# KiCad board dya-panelized.kicad_pcb (continued)
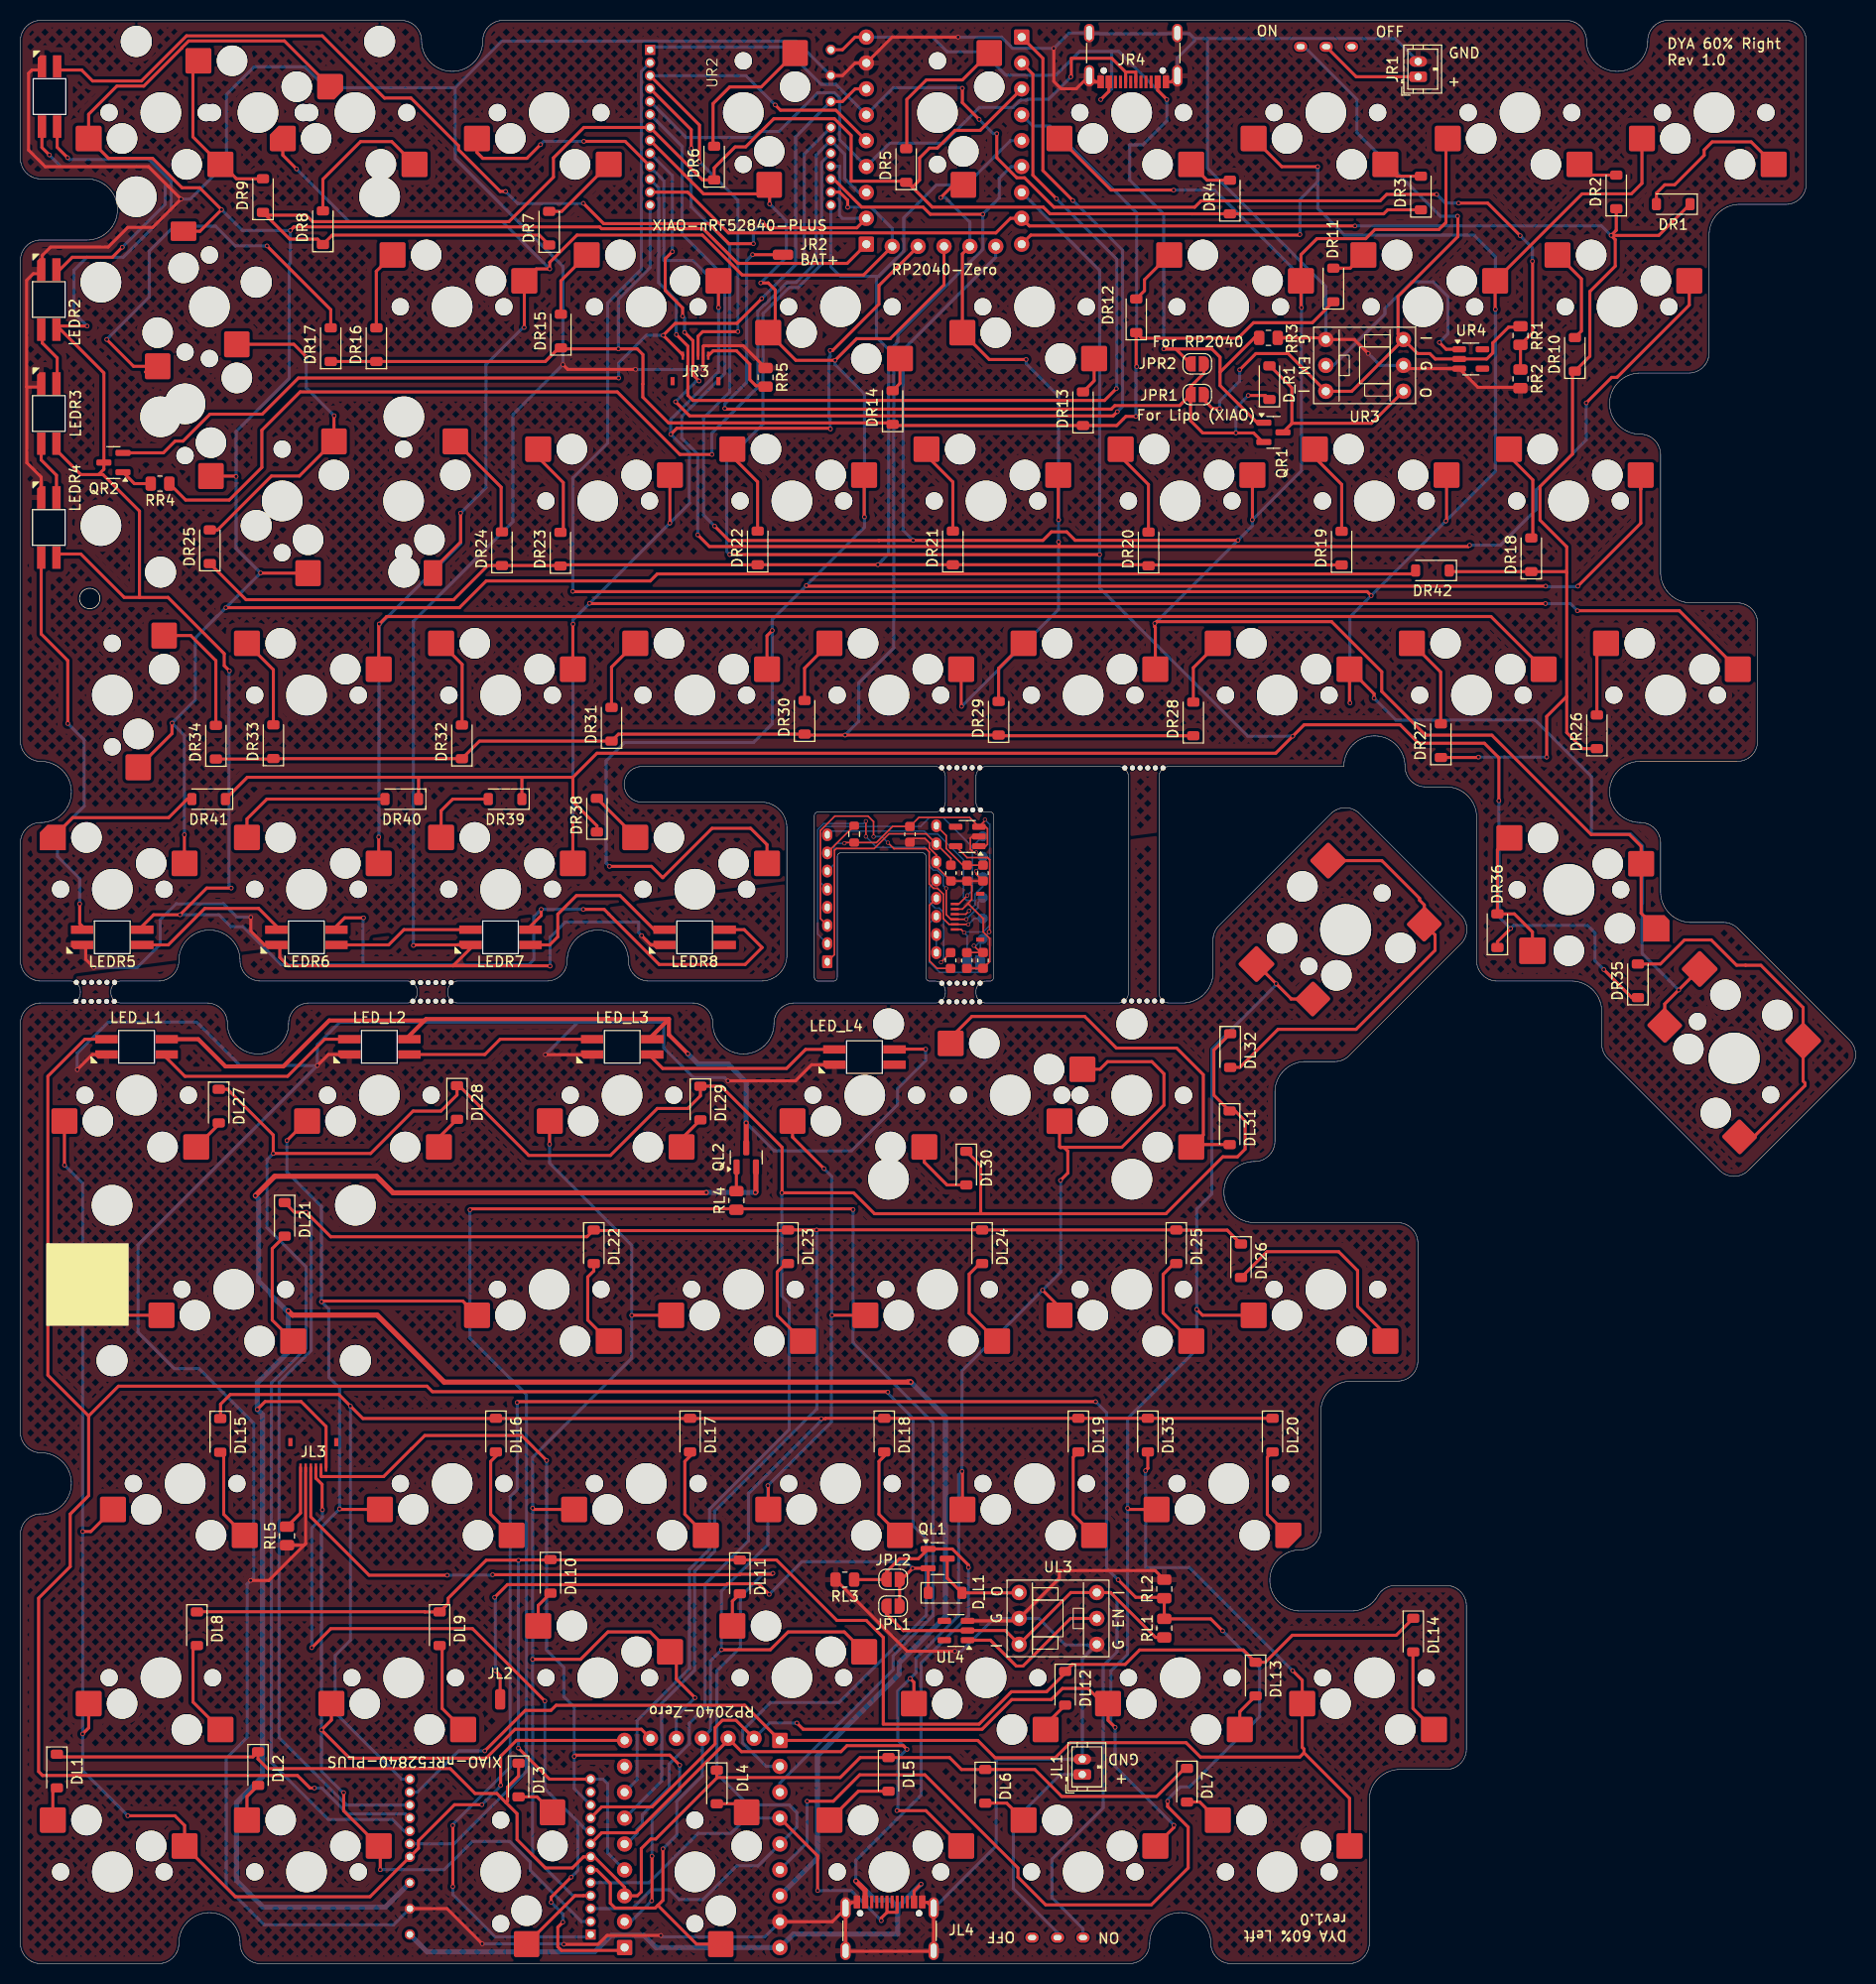
[diagram p0: board, top side]
## Footprints (pads in the part's own frame, mm; a bottom-side part is the same pattern mirrored in y, then rotated)
AE-XCL103
  round 1.5 hole 0.8: 1(-2.54,-3.81) 2(0,-3.81) 3(2.54,-3.81) 4(2.54,3.81) 5(0,3.81) 6(-2.54,3.81)
C_0603_1608Metric
  rrect 0.9x0.95 smd: 1(-0.775,0) 2(0.775,0)
D_SOD-123
  rrect 0.9x1.2 smd: 1(-1.65,0) 2(1.65,0)
JST_ZH_B2B-ZR_1x02_P1.50mm_Vertical
  rrect 1.03x1.73 hole 0.73: 1(0,0)
  oval 1.03x1.73 hole 0.73: 2(1.5,0)
JUSHUO-AFH34-S06FIA-1H
  rect 0.4x0.8 smd: 0(-2.25,-2.5) 0(2.25,-2.5)
  rect 0.25x0.8 smd: 1(-1.25,0) 2(-0.75,0) 3(-0.25,0) 4(0.25,0) 5(0.75,0) 6(1.25,0)
LED_SK6812MINI-E_BL
  rect 2.2x0.82 smd: 1(-2.6,0.75) 3(2.6,-0.75) 4(-2.6,-0.75)
  rrect 2.2x0.82 smd: 2(2.6,0.75)
Mouse_Bite_Hole
  round 0.5 hole 0.5 unplated: (-1.85,0) (-1.1,0) (-0.35,0) (0.4,0) (1.15,0) (1.9,0)
MX-Hotswap-1.5U
  round 1.702 hole 1.702 unplated: (-5.08,0) (5.08,0)
  round 3 hole 3 unplated: (-2.54,5.08) (3.81,2.54)
  round 3.988 hole 3.988 unplated: (0,0)
  rrect 2.55x2.5 smd: 1(7.085,2.54) 2(-5.842,5.08)
MX-Hotswap-1.25U
  round 1.702 hole 1.702 unplated: (-5.08,0) (5.08,0)
  round 3 hole 3 unplated: (-2.54,5.08) (3.81,2.54)
  round 3.988 hole 3.988 unplated: (0,0)
  rrect 2.55x2.5 smd: 1(7.085,2.54) 2(-5.842,5.08)
MX-Hotswap-1.75U
  round 1.702 hole 1.702 unplated: (-5.08,0) (5.08,0)
  round 3 hole 3 unplated: (-2.54,5.08) (3.81,2.54)
  round 3.988 hole 3.988 unplated: (0,0)
  rrect 2.55x2.5 smd: 1(7.085,2.54) 2(-5.842,5.08)
MX-Hotswap-1U
  round 1.702 hole 1.702 unplated: (-5.08,0) (5.08,0)
  round 3 hole 3 unplated: (-2.54,5.08) (3.81,2.54)
  round 3.988 hole 3.988 unplated: (0,0)
  rrect 2.55x2.5 smd: 1(7.085,2.54) 2(-5.842,5.08)
MX-Hotswap-1U#2
  round 1.702 hole 1.702 unplated: (-5.08,0) (5.08,0)
  round 3 hole 3 unplated: (-2.54,5.08) (3.81,2.54)
  round 3.988 hole 3.988 unplated: (0,0)
  rrect 2.53x1.82 smd: 1(7.075,2.88)
  rrect 2.55x2.5 smd: 2(-5.842,5.08)
MX-Hotswap-1U#3
  round 1.702 hole 1.702 unplated: (-5.08,0) (5.08,0)
  round 3 hole 3 unplated: (-2.54,5.08) (3.81,2.54)
  round 3.988 hole 3.988 unplated: (0,0)
  rrect 1.9x2.51 smd: 1(7.41,2.545)
  rrect 2.55x2.5 smd: 2(-5.842,5.08)
MX-Hotswap-2.25U
  round 3.048 hole 3.048 unplated: (-11.938,6.985) (11.938,6.985)
  round 3.988 hole 3.988 unplated: (-11.938,-8.255) (0,0) (11.938,-8.255)
  round 1.702 hole 1.702 unplated: (-5.08,0) (5.08,0)
  round 3 hole 3 unplated: (-2.54,5.08) (3.81,2.54)
  rrect 2.55x2.5 smd: 1(7.085,2.54) 2(-5.842,5.08)
MX-Hotswap-2.25U-ReversedStabilizers
  round 3.988 hole 3.988 unplated: (-11.938,8.255) (0,0) (11.938,8.255)
  round 3.048 hole 3.048 unplated: (-11.938,-6.985) (11.938,-6.985)
  round 1.702 hole 1.702 unplated: (0,5.08) (0,-5.08)
  round 3 hole 3 unplated: (2.54,-3.81) (5.08,2.54)
  rrect 2.5x2.55 smd: 1(2.54,-7.085) 2(5.08,5.842)
MX-Hotswap-2.75U-ReversedStabilizers
  round 3.988 hole 3.988 unplated: (-11.938,8.255) (11.938,8.255)
  round 3.048 hole 3.048 unplated: (-11.938,-6.985) (11.938,-6.985)
MX-Hotswap-2U
  round 3.048 hole 3.048 unplated: (-11.938,6.985) (11.938,6.985)
  round 3.988 hole 3.988 unplated: (-11.938,-8.255) (0,0) (11.938,-8.255)
  round 1.702 hole 1.702 unplated: (-5.08,0) (5.08,0)
  round 3 hole 3 unplated: (-2.54,5.08) (3.81,2.54)
  rrect 2.55x2.5 smd: 1(7.085,2.54) 2(-5.842,5.08)
MX-Hotswap-ISO-Rotated
  round 3.048 hole 3.048 unplated: (-11.938,6.985) (11.938,6.985)
  round 3.988 hole 3.988 unplated: (-11.938,-8.255) (0,0) (11.938,-8.255)
  round 1.702 hole 1.702 unplated: (-5.08,0) (5.08,0)
  round 3 hole 3 unplated: (-2.54,5.08) (3.81,2.54)
  rrect 2.55x2.5 smd: 1(7.085,2.54) 2(-5.842,5.08)
MX-KailhChocV2-Hybrid-Hotswap-1U
  round 1.702 hole 1.702 unplated: (-5.175,0.095) (4.985,0.095)
  round 3 hole 3 unplated: (-2.635,5.175) (-0.1,-5.9) (3.715,2.635) (4.9,-3.7)
  round 5 hole 5.1 unplated: (-0.1,0.1)
  rrect 2.55x2.5 smd: 1(6.99,2.635) 2(-5.937,5.175)
  rrect 2.6x2.6 smd: 1(8.475,-3.7) 2(-3.675,-5.9)
PMW3610DM-SUDU 16Pin
  rrect 1.25x1 hole 0.75x0.5: 1(6.168,5.35)
  oval 1.25x1 hole 0.75x0.5: 2(4.388,5.35) 3(2.608,5.35) 4(0.828,5.35) 5(-0.952,5.35) 6(-2.732,5.35) 7(-4.512,5.35) 8(-6.292,5.35) 9(-7.182,-5.35) 10(-5.402,-5.35) 11(-3.622,-5.35) 12(-1.842,-5.35) 13(-0.062,-5.35) 14(1.718,-5.35) 15(3.498,-5.35) 16(5.278,-5.35)
R_0603_1608Metric
  rrect 0.8x0.95 smd: 1(-0.825,0) 2(0.825,0)
R_0805_2012Metric
  rrect 1.025x1.4 smd: 1(-0.912,0) 2(0.912,0)
RP2040-Zero
  rrect 1.5x1.5 hole 0.8: 0(17.78,22.86) 14(2.54,2.54)
  oval 1.5x1.5 hole 0.8: 1(17.78,20.32) 2(17.78,17.78) 3(17.78,15.24) 4(17.78,12.7) 5(17.78,10.16) 6(17.78,7.62) 7(17.78,5.08) 8(17.78,2.54) 9(15.24,2.33) 10(12.7,2.33) 11(10.16,2.33) 12(7.62,2.33) 13(5.08,2.33) 15(2.54,5.08) 26(2.54,7.62) 27(2.54,10.16) 28(2.54,12.7) 29(2.54,15.24) 30(2.54,17.78) 31(2.54,20.32) 32(2.54,22.86)
SolderJumper-2_P1.3mm_Open_RoundedPad1.0x1.5mm
  custom 1x1.5 smd: 1(-0.65,0) 2(0.65,0)
SolderWirePad_1x01_SMD_1x2mm
  rrect 1x2 smd: 1(0,0)
SOT-23
  rrect 1.475x0.6 smd: 1(-0.938,0.95) 2(-0.938,-0.95) 3(0.938,0)
SOT-23-5
  rrect 1.325x0.6 smd: 1(-1.137,0.95) 2(-1.137,0) 3(-1.137,-0.95) 4(1.137,-0.95) 5(1.137,0.95)
TestPoint_Pad_D1.0mm
  round 1 smd: 1(0,0)
TGSW_MSK-12D19
  oval 1.3x1 hole 0.8x0.5: 1(-2.5,-1.05) 2(0,-1.05) 3(2.5,-1.05)
USB_C_Receptacle_G-Switch_GT-USB-7010ASV
  round 0.65 hole 0.65 unplated: (-2.89,2.605) (2.89,2.605)
  rect 0.6x1.24 smd: A1(-3.2,3.725) A4(-2.4,3.725) A9(2.4,3.725) A12(3.2,3.725) B1(3.2,3.725) B4(2.4,3.725) B9(-2.4,3.725) B12(-3.2,3.725)
  rect 0.3x1.24 smd: A5(-1.25,3.725) A6(-0.25,3.725) A7(0.25,3.725) A8(1.25,3.725) B5(1.75,3.725) B6(0.75,3.725) B7(-0.75,3.725) B8(-1.75,3.725)
  oval 1x2.1 hole 0.6x1.7: S1(-4.32,3.125) S1(4.32,3.125)
  oval 1x1.8 hole 0.6x1.4: S1(-4.32,-1.075) S1(4.32,-1.075)
XIAO_nRF52840_plus
  rect 1x1 hole 0.65: 1(7.628,8.89)
  oval 1x1 hole 0.65: 2(5.088,8.89) 3(2.547,8.89) 4(0.007,8.89) 5(-2.533,8.89) 6(-5.072,8.89) 7(-7.612,8.89) 8(-7.61,-8.85) 9(-5.07,-8.85) 10(-2.53,-8.85) 11(0.01,-8.85) 12(2.55,-8.85) 13(5.09,-8.85) 14(7.63,-8.85) 15(6.357,8.89) 16(3.817,8.89) 17(1.278,8.89) 18(-1.262,8.89) 19(-3.803,8.89) 20(-6.343,8.89) 21(-6.34,-8.85) 22(-3.8,-8.85) 23(-1.26,-8.85)

## Nets
3.3V_L: JL3.1 QL2.2 UL1.30 UL2.12
3.3V_R: JR3.1 QR2.2 UR1.30 UR2.12
GND: C1.2 C3.2 C4.2 C6.2 C7.2 C8.2 J1.5 J2.1 U1.11 U2.2
GNDL: JL1.2 JL3.5 JL4.A1 JL4.A12 JL4.B1 JL4.B12 JL4.S1 LED_L1.2 LED_L2.2 LED_L3.2 LED_L4.2 RL2.2 RL3.2 RL5.1 UL1.31 UL2.13 UL3.3 UL3.5 UL4.3
GNDR: JR1.2 JR3.5 JR4.A1 JR4.A12 JR4.B1 JR4.B12 JR4.S1 LEDR1.2 LEDR2.2 LEDR3.2 LEDR4.2 LEDR5.2 LEDR6.2 LEDR7.2 LEDR8.2 RR2.2 RR3.2 RR5.1 UR1.31 UR2.13 UR3.3 UR3.5 UR4.3
VBUS_L: JL4.A4 JL4.A9 JL4.B4 JL4.B9 JPL2.1 QL1.1 RL3.1 UL1.32 UL2.14
VBUS_R: JPR2.1 JR4.A4 JR4.A9 JR4.B4 JR4.B9 QR1.1 RR3.1 UR1.32 UR2.14
VCC_1.8V: C7.1 C8.1 J3.1 JP1.2 U1.14 U2.5
VCC_3.3_or_1.8V: C1.1 J1.1 JP1.1 R1.2 U1.6 U2.1 U2.3
BAT_L: D_L1.1 JL2.1 JPL1.1 JPL2.2 QL1.2
BAT_R: D_R1.1 JPR1.1 JPR2.2 JR2.1 QR1.2
BAT_RAW_L: JPL1.2 RL1.1 SW_BATL1.1 UL3.1 UL3.4 UL4.2
BAT_RAW_R: JPR1.2 RR1.1 SW_BATR1.1 UR3.1 UR3.4 UR4.2
CL0: SWL1.1 SWL8.1 SWL15.1 SWL21.1 SWL27.1 UL1.8 UL2.11
CL1: SWL2.1 SWL9.1 SWL16.1 SWL22.1 SWL28.1 UL1.9 UL2.15
CL2: SWL3.1 SWL10.1 SWL17.1 SWL23.1 SWL29.1 UL1.10 UL2.16
CL3: SWL4.1 SWL11.1 SWL18.1 SWL24.1 SWL30.1 UL1.11 UL2.17
CL4: SWL5.1 SWL12.1 SWL19.1 SWL25.1 SWL31.1 SWL31-hole2.1 UL1.12 UL2.18
CL5: SWL6.1 SWL13.1 SWL20.1 SWL26.1 SWL32.1 UL1.13 UL2.19
CL6: DL33.2 SWL7.1 SWL14.1 UL1.14 UL2.21
CR7: SWR1.1 SWR3.1 SWR11.1 SWR19.1 SWR28.1 SWR35.1 UR1.8 UR2.15
CR8: SWR2.1 SWR4.1 SWR12.1 SWR20.1 SWR29.1 SWR36.1 UR1.9 UR2.16
CR9: SWR5.1 SWR10.1 SWR13.1 SWR21.1 SWR30.1 UR1.10 UR2.17
CR10: SWR6.1 SWR14.1 SWR18.1 SWR22.1 SWR31.1 SWR38.1 UR1.11 UR2.18
CR11: SWR7.1 SWR15.1 SWR23.1 SWR26.1 SWR32.1 SWR39.1 UR1.12 UR2.19
CR12: SWR8.1 SWR16.1 SWR24.1 SWR27.1 SWR33.1 SWR40.1 UR1.13 UR2.21
CR13: DR42.2 SWR9.1 SWR9-2.1 SWR17.1 SWR25.1 SWR25-2.1 SWR34.1 SWR41.1 UR1.14 UR2.11
INPUT_VOLTAGE_L: RL1.2 RL2.1 UL1.29 UL2.1
INPUT_VOLTAGE_R: RR1.2 RR2.1 UR1.29 UR2.1
LED_EN_L: RL4.1 UL1.26 UL2.23
LED_EN_R: RR4.1 UR1.26 UR2.23
LED_L: LED_L1.3 UL1.15 UL2.22
LED_R: LEDR1.3 UR1.15 UR2.22
LR_COM_L: JL4.A6 JL4.B6 UL1.27 UL2.3
LR_COM_R: JR4.A6 JR4.B6 UR1.27 UR2.3
MOTION: J1.4 J6.1 U1.8
MOTION_L: JL3.4 UL1.28 UL2.2
MOTION_R: JR3.4 UR1.28 UR2.2
NCS: J1.6 J7.1 U1.5
RL0: DL1.1 DL2.1 DL3.1 DL4.1 DL5.1 DL6.1 DL7.1 UL1.2 UL2.4
RL1: DL8.1 DL9.1 DL10.1 DL11.1 DL12.1 DL13.1 DL14.1 UL1.3 UL2.7
RL2: DL15.1 DL16.1 DL17.1 DL18.1 DL19.1 DL20.1 DL33.1 UL1.4 UL2.8
RL3: DL21.1 DL22.1 DL23.1 DL24.1 DL25.1 DL26.1 UL1.5 UL2.9
RL4: DL27.1 DL28.1 DL29.1 DL30.1 DL31.1 DL32.1 UL1.6 UL2.10
RR0: DR3.1 DR4.1 DR5.1 DR6.1 DR7.1 DR8.1 DR9.1 UR1.2 UR2.4
RR1: DR11.1 DR12.1 DR13.1 DR14.1 DR15.1 DR16.1 DR17.1 UR1.3 UR2.7
RR2: DR19.1 DR20.1 DR21.1 DR22.1 DR23.1 DR24.1 DR25.1 UR1.4 UR2.8
RR3: DR28.1 DR29.1 DR30.1 DR31.1 DR32.1 DR33.1 DR34.1 UR1.5 UR2.9
RR4: DR35.1 DR36.1 DR38.1 DR39.1 DR40.1 DR41.1 UR1.6 UR2.10
RR5: DR1.1 DR2.1 DR10.1 DR18.1 DR26.1 DR27.1 DR42.1 UR1.7 UR2.20
SCLK: J1.2 J4.1 U1.3
SCLK_L: JL3.2 UL1.1 UL2.6
SCLK_R: JR3.2 UR1.1 UR2.6
SDIO: J1.3 J5.1 U1.2
SDIO_L: JL3.3 UL1.0 UL2.5
SDIO_R: JR3.3 UR1.0 UR2.5
Net-(D_L1-A): D_L1.2 QL1.3 UL3.6
Net-(D_R1-A): D_R1.2 QR1.3 UR3.6
Net-(DL1-A): DL1.2 SWL1.2
Net-(DL2-A): DL2.2 SWL2.2
Net-(DL3-A): DL3.2 SWL3.2
Net-(DL4-A): DL4.2 SWL4.2
Net-(DL5-A): DL5.2 SWL5.2
Net-(DL6-A): DL6.2 SWL6.2
Net-(DL7-A): DL7.2 SWL7.2
Net-(DL8-A): DL8.2 SWL8.2
Net-(DL9-A): DL9.2 SWL9.2
Net-(DL10-A): DL10.2 SWL10.2
Net-(DL11-A): DL11.2 SWL11.2
Net-(DL12-A): DL12.2 SWL12.2
Net-(DL13-A): DL13.2 SWL13.2
Net-(DL14-A): DL14.2 SWL14.2
Net-(DL15-A): DL15.2 SWL15.2
Net-(DL16-A): DL16.2 SWL16.2
Net-(DL17-A): DL17.2 SWL17.2
Net-(DL18-A): DL18.2 SWL18.2
Net-(DL19-A): DL19.2 SWL19.2
Net-(DL20-A): DL20.2 SWL20.2
Net-(DL21-A): DL21.2 SWL21.2
Net-(DL22-A): DL22.2 SWL22.2
Net-(DL23-A): DL23.2 SWL23.2
Net-(DL24-A): DL24.2 SWL24.2
Net-(DL25-A): DL25.2 SWL25.2
Net-(DL26-A): DL26.2 SWL26.2
Net-(DL27-A): DL27.2 SWL27.2
Net-(DL28-A): DL28.2 SWL28.2
Net-(DL29-A): DL29.2 SWL29.2
Net-(DL30-A): DL30.2 SWL30.2
Net-(DL31-A): DL31.2 SWL31.2 SWL31-hole2.2
Net-(DL32-A): DL32.2 SWL32.2
Net-(DR1-A): DR1.2 SWR1.2
Net-(DR2-A): DR2.2 SWR2.2
Net-(DR3-A): DR3.2 SWR3.2
Net-(DR4-A): DR4.2 SWR4.2
Net-(DR5-A): DR5.2 SWR5.2
Net-(DR6-A): DR6.2 SWR6.2
Net-(DR7-A): DR7.2 SWR7.2
Net-(DR8-A): DR8.2 SWR8.2
Net-(DR9-A): DR9.2 SWR9.2 SWR9-2.2
Net-(DR10-A): DR10.2 SWR10.2
Net-(DR11-A): DR11.2 SWR11.2
Net-(DR12-A): DR12.2 SWR12.2
Net-(DR13-A): DR13.2 SWR13.2
Net-(DR14-A): DR14.2 SWR14.2
Net-(DR15-A): DR15.2 SWR15.2
Net-(DR16-A): DR16.2 SWR16.2
Net-(DR17-A): DR17.2 SWR17.2
Net-(DR18-A): DR18.2 SWR18.2
Net-(DR19-A): DR19.2 SWR19.2
Net-(DR20-A): DR20.2 SWR20.2
Net-(DR21-A): DR21.2 SWR21.2
Net-(DR22-A): DR22.2 SWR22.2
Net-(DR23-A): DR23.2 SWR23.2
Net-(DR24-A): DR24.2 SWR24.2
Net-(DR25-A): DR25.2 SWR25.2 SWR25-2.2
Net-(DR26-A): DR26.2 SWR26.2
Net-(DR27-A): DR27.2 SWR27.2
Net-(DR28-A): DR28.2 SWR28.2
Net-(DR29-A): DR29.2 SWR29.2
Net-(DR30-A): DR30.2 SWR30.2
Net-(DR31-A): DR31.2 SWR31.2
Net-(DR32-A): DR32.2 SWR32.2
Net-(DR33-A): DR33.2 SWR33.2
Net-(DR34-A): DR34.2 SWR34.2
Net-(DR35-A): DR35.2 SWR35.2
Net-(DR36-A): DR36.2 SWR36.2
Net-(DR38-A): DR38.2 SWR38.2
Net-(DR39-A): DR39.2 SWR39.2
Net-(DR40-A): DR40.2 SWR40.2
Net-(DR41-A): DR41.2 SWR41.2
Net-(JL1-Pin_1): JL1.1 SW_BATL1.2
Net-(JL3-Pin_6): JL3.6 RL5.2
Net-(JR1-Pin_1): JR1.1 SW_BATR1.2
Net-(JR3-Pin_6): JR3.6 RR5.2
Net-(LED_L1-DOUT): LED_L1.1 LED_L2.3
Net-(LED_L1-VDD): LED_L1.4 LED_L2.4 LED_L3.4 LED_L4.4 QL2.3
Net-(LED_L2-DOUT): LED_L2.1 LED_L3.3
Net-(LED_L3-DOUT): LED_L3.1 LED_L4.3
Net-(LEDR1-DOUT): LEDR1.1 LEDR2.3
Net-(LEDR1-VDD): LEDR1.4 LEDR2.4 LEDR3.4 LEDR4.4 LEDR5.4 LEDR6.4 LEDR7.4 LEDR8.4 QR2.3
Net-(LEDR2-DOUT): LEDR2.1 LEDR3.3
Net-(LEDR3-DOUT): LEDR3.1 LEDR4.3
Net-(LEDR4-DOUT): LEDR4.1 LEDR5.3
Net-(LEDR5-DOUT): LEDR5.1 LEDR6.3
Net-(LEDR6-DOUT): LEDR6.1 LEDR7.3
Net-(LEDR7-DOUT): LEDR7.1 LEDR8.3
Net-(QL2-G): QL2.1 RL4.2
Net-(QR2-G): QR2.1 RR4.2
Net-(U1-+VCSEL): C6.1 U1.1 U1.10
Net-(U1--VCSEL): U1.15 U1.16
Net-(UL3-EN): UL3.2 UL4.1
Net-(UR3-EN): UR3.2 UR4.1

Pads without a net: C3 1; C4 1; C5 1 2; J1 0; JL3 0; JL4 A5 A7 A8 B5 B7 B8; JR3 0; JR4 A5 A7 A8 B5 B7 B8; LED_L4 1; LEDR8 1; R1 1; SW_BATL1 3; SW_BATR1 3; U1 4 7 9 12 13; U2 4; UL1 7; UL2 20; UL4 4 5; UR4 4 5

## Via types
v1: diameter 0.45, hole 0.3, Top to Bottom, 245 vias
v2: diameter 0.4, hole 0.3, Top to Bottom, 16 vias

## Routing (per net, layer and track width the routed paths; a pad name or vN(x,y) marks a point on that pad's centre or on a via; arc(x,y) is an arc through that point)
3.3V_L: length 278.5
  Top w0.3: v1(23.25,54.38) 24.01,55.15 27.54,55.15 29.99,52.7 JL3.1 ; 87.09,57.06 v1(87.36,57.06)
  Top w0.5: v1(67.29,75.66) 67.26,75.63 36.57,75.63 34.95,77.25 24.95,77.25 v1(23.05,75.35) ; QL2.2 72.17,75.71 v1(72.11,75.66) ; 87.07,57.08 87.34,57.08 v1(87.36,57.06) 41.58,57.06 35.01,63.63 26.7,63.63 v1(26.28,64.04)
  Bottom w0.5: UL2.12 35.82,5.55 23.81,5.55 21.2,8.16 21.2,15.79 23.76,18.35 23.76,53.87 v1(23.25,54.38) 23.25,56.96 26.28,60 v1(26.28,64.04) 26.14,64.04 24.61,65.57 24.61,65.71 23.38,66.95 23.38,75.02 v1(23.05,75.35) ; UL1.30 78.2,10.34 78.2,20.39 86.23,28.42 86.23,29.53 90.76,34.06 90.76,53.66 v1(87.36,57.06) ; v1(67.29,75.66) v1(72.11,75.66)
3.3V_R: length 98.7
  Top w0.3: v1(58.7,155.57) 27.27,155.57 23.72,152.02 18.6,152.02 15.95,149.38 15.18,149.38 14.03,148.23 10.07,148.23 QR2.2 ; UR2.12 80.66,182.7 81.9,183.94 UR1.30 ; v1(72.73,163.36) 70.3,160.93 64.24,160.93 v1(63.07,159.76) 64.99,157.84 JR3.1
  Bottom w0.3: UR2.12 76.06,179.24 76.06,166.69 v1(72.73,163.36) ; v1(63.07,159.76) 61.4,159.76 58.7,157.06 v1(58.7,155.57)
GND: length 29.6
  Top w0.16: 92.97,104.02 92.97,104 92.44,103.46 J1.5 ; 92.97,104.02 93.34,104.39 93.34,105.77 C3.2 ; 92.97,104.02 94.47,102.52 94.47,101.22 95.11,100.59 95.11,98.31 C7.2 92.87,97.65 C8.2 ; v2(93.78,109.01) 93.53,109.01 93.2,109.34 93.2,110.4 93.38,110.58 U2.2 ; C3.2 C4.2 93.78,106.89 v2(93.78,107.18) ; C3.2 C6.2 89.87,107.65 U1.11 89.87,108.78 89.19,109.46 89.19,109.95 88.75,110.39 87.65,110.39 C1.2
  Bottom w0.16: v2(93.78,107.18) 94.43,107.83 J2.1 94.2,108.59 v2(93.78,109.01)
GNDL: length 391.4
  Top w0.3: RL3.2 87,30.66 v1(91.68,30.66) ; v1(53.33,1.9) 56.69,1.9 57.56,2.77 v1(62.84,2.77) ; v1(5.58,87.71) 7.07,89.2 LED_L1.2 ; 80.96,5.41 81.56,6.01 82.08,6.01 ; 80.96,5.41 80.96,1.21 89.6,1.21 89.6,5.41 89,6.01 88.48,6.01 ; 80.96,5.41 79.67,4.12 UL1.31 ; RL5.1 27.84,41.05 27.99,41.21 ; LED_L2.2 30.22,89.2 v1(29.14,88.12) ; JL3.5 27.99,41.21 ; 27.99,41.21 24.37,37.59 v1(22.59,37.59) ; RL2.2 111.34,38.57 101.93,38.57 101.93,37.81 UL3.5 97.76,33.63 UL4.3 ; v1(51.5,89.18) 56.43,89.18 LED_L3.2 ; v1(45.31,1.95) 41.86,5.4 UL2.13 ; v1(69.42,86.61) 76.05,86.61 77.64,88.19 80.21,88.19 LED_L4.2
  Bottom w0.3: v1(29.14,88.12) 29.14,90.17 31.34,92.37 54.69,92.37 ; v1(29.14,88.12) 21.55,88.12 17.29,92.38 8.62,92.38 5.58,89.34 v1(5.58,87.71) ; v1(29.14,88.12) 11.54,70.52 11.54,61.94 15.1,58.38 17.53,58.38 22.9,53.01 22.9,37.9 v1(22.59,37.59) 22.25,37.25 22.25,22.19 20.19,20.13 20.19,7.55 23.93,3.81 36.62,3.81 UL2.13 ; UL1.31 73.03,2.62 62.98,2.62 v1(62.84,2.77) ; v1(69.42,86.61) 69.09,86.94 66.04,86.94 63.12,89.86 63.12,92.37 54.69,92.37 ; 105.15,30.87 104.75,31.27 102.54,31.27 99.94,33.87 UL3.5 95.54,33.87 92.33,30.66 v1(91.68,30.66) ; 97.24,33.89 97.25,33.89 ; 54.69,92.37 v1(51.5,89.18) ; 89.6,5.41 95.74,11.55 95.74,19.9 95.9,20.06 JL1.2 104.19,29.91 UL3.3 ; v1(45.31,1.95) 53.28,1.95 v1(53.33,1.9)
GNDR: length 482.2
  Top w0.3: LEDR8.2 61.86,99.95 v1(60.95,100.86) ; v1(7.2,97.74) 6.41,98.53 LEDR5.2 ; 105.22,185.75 104.7,185.75 ; v1(51.97,97.87) 51.94,97.9 42.46,97.9 ; 0.61,154.69 0.63,154.67 0.63,147.26 2.04,145.85 LEDR4.2 ; 0.61,154.69 0.61,165.15 1.27,165.81 2.15,165.81 2.15,167.61 2.96,168.42 8.61,168.42 10.54,170.35 12.98,170.35 v1(15.76,173.13) 14.52,174.37 14.52,174.37 12.59,176.3 2.44,176.3 0.8,177.94 0.8,185.46 1.13,185.78 LEDR1.2 ; 0.61,154.69 2.04,154.69 LEDR3.2 ; 42.46,97.9 26.28,97.9 25.46,98.72 LEDR6.2 23.96,99.95 22.61,101.3 v1(22.61,102.67) ; 42.46,97.9 LEDR7.2 38.61,99.95 v1(38.56,99.9) ; v1(132.24,157.98) 130.87,159.35 UR3.3 127.92,159.51 123.28,159.51 ; 73.11,156.46 RR5.1 70.92,158.74 67.04,158.74 66.99,158.69 66.99,156.41 v1(67,156.4) ; v1(92,189.02) 85.54,189.02 UR1.31 81.9,186.48 80.66,185.24 UR2.13 ; JR4.A12 105.47,184.62 JR4.S1 103.6,183.95 102.12,183.95 101.39,184.68 v1(101.39,187.92) ; UR3.5 136.02,156.49 UR4.3 143,154.66 147.18,154.66 ; JR4.S1 112.91,184.62 JR4.A1 ; v1(53.23,156.89) 53.7,156.42 v1(60.35,156.42)
  Bottom w0.3: JR4.S1 113.51,186.96 115.18,188.63 115.18,188.88 ; UR3.3 128.08,164.53 116.47,176.14 116.47,188.88 ; v1(51.97,97.87) 51.97,100.7 53.46,102.19 60.66,102.19 60.66,101.15 v1(60.95,100.86) ; v1(22.61,102.67) 21.25,102.67 19.93,103.99 15.29,103.99 13.71,102.41 13.71,99.98 11.47,97.74 v1(7.2,97.74) ; JR1.2 134.89,188.88 116.47,188.88 ; v1(132.24,157.98) 133.41,156.81 UR3.5 ; v1(38.56,99.9) 38.56,131.7 48.32,141.46 48.32,151.98 v1(53.23,156.89) 53.23,166.51 42.66,177.08 42.66,184.05 ; v1(60.35,156.42) 60.37,156.4 v1(67,156.4) ; 42.66,184.05 47.23,188.62 76.13,188.62 UR2.13 ; 42.66,184.05 29.97,184.05 27.93,186.1 22.94,186.1 20.22,183.38 20.22,176.68 16.67,173.13 v1(15.76,173.13) ; 115.18,188.88 114.71,189.35 104.8,189.35 104.68,189.23 ; 115.18,188.88 116.47,188.88 ; v1(92,189.02) 96.26,189.02 97.36,187.92 v1(101.39,187.92) 102.89,189.42 JR4.S1 ; 113.51,189.36 JR4.S1
VBUS_L: length 117.6
  Top w0.3: v1(93.02,38.87) 93.02,39.1 91.44,40.69 QL1.1 88.1,39.73 86.25,39.73 84.98,38.45 JPL2.1 84.96,37.68 RL3.1 ; 87.68,6.01 87.68,7.12 v1(88.37,7.81)
  Top w0.5: 82.88,6.01 82.88,7.2 v1(81.97,8.11)
  Bottom w0.3: v1(93.02,38.87) 93.02,34.13 88.37,29.47 88.37,16.53 81.97,10.13 v1(81.97,8.11) 82.02,8.11 ; 56.29,1.16 56.36,1.16 ; 86.07,2.92 86.07,5.55
  Bottom w0.5: 86.07,2.92 86.07,5.51 v1(88.37,7.81) ; 56.36,1.16 57.98,2.78 61.17,2.78 62.37,1.58 UL1.32 75.84,2.9 86.05,2.9 86.07,2.92 ; UL2.14 39.91,1.16 56.29,1.16 ; 86.07,5.55 85.37,6.25 83.88,6.25 82.02,8.11
VBUS_R: length 98.4
  Top w0.3: v1(106,182.89) 106.79,183.68 JR4.A9 ; UR1.32 81.9,189.02 80.66,187.78 UR2.14 ; 121.62,159.51 121.07,159.51 117.71,156.14 ; JPR2.1 113.36,158.42 v1(112.18,158.42) 116.9,158.42 117.71,157.61 117.71,156.14 ; 117.71,156.14 117.71,154.83 121.35,151.19 QR1.1 ; JR4.A4 111.59,183.79 v1(112.48,182.9)
  Bottom w0.3: UR1.32 89.5,189.02 90.94,187.58 94.39,187.58 96.69,185.28 101.6,185.28 103.95,187.63 107.03,187.63 ; 107.03,187.63 107.07,187.58 107.07,183.96 v1(106,182.89) ; 107.03,187.63 107.75,187.63 v1(112.48,182.9) 112.48,180.8 110.13,178.44 108.84,178.44 108.84,174.99 112.18,171.65 v1(112.18,158.42)
VCC_1.8V: length 29.7
  Top w0.16: v1(95.04,101.22) 95.1,101.28 95.1,108.31 94.9,108.52 92.89,108.52 U2.5 ; v2(93.55,99.86) 94.21,99.2 C7.1 ; C7.1 94.45,98.92 ; C7.1 92.87,99.2 C8.1
  Bottom w0.16: J3.1 93.75,99.86 v2(93.55,99.86) ; J3.1 94.19,100.3 JP1.2 ; J3.1 95.04,101.16 v1(95.04,101.22) ; U1.14 89.19,102.07 89.19,98.26 90.19,97.26 94,97.26 94.19,97.45 JP1.2 ; JP1.2 94.29,98.3
VCC_3.3_or_1.8V: length 40.3
  Top w0.16: J1.1 92.3,101.46 v2(92.6,101.16) ; U2.1 94.71,109.63 94.89,109.81 94.89,111.35 94.71,111.53 U2.3 ; v2(80.85,109.91) 80.92,109.99 R1.2 83.99,109.99 85.57,111.57 C1.1 88.16,112.45 93.13,112.45 U2.3 ; U2.3 94.64,112.13 v2(94.64,112.24)
  Bottom w0.16: U1.6 79.85,107.88 79.85,109.68 80.09,109.91 v2(80.85,109.91) ; JP1.1 92.89,100.87 v2(92.6,101.16) 92.65,101.21 94.46,101.21 95.11,101.86 95.11,111.77 v2(94.64,112.24)
BAT_L: length 62.1
  Top w0.3: v1(46.53,35.94) 47.78,37.19 69.28,37.19 69.36,37.27 72.43,37.27 v1(73.47,36.23) ; D_L1.1 89.08,38.77 QL1.2 v1(87.55,38.79) 86.46,37.7 JPL2.2 86.27,37.69 JPL1.1 ; v1(46.6,28.74) 47.07,28.27 JL2.1
  Bottom w0.3: v1(87.55,38.79) 86.9,39.44 76.68,39.44 v1(73.47,36.23) ; v1(46.6,28.74) 46.6,35.87 v1(46.53,35.94)
BAT_R: length 86.1
  Top w0.3: v1(71.84,167.68) 71.85,167.67 JR2.1 ; QR1.2 121.89,149.29 121,150.18 v1(119.26,150.18) 116.01,150.18 114.81,151.38 114.81,153.94 JPR1.1 ; JPR1.1 114.82,154.74 116.12,156.04 JPR2.2 ; JPR1.1 113.74,152.86 107.38,152.86 107.03,152.52 69.17,152.52 v1(69.11,152.58) ; D_R1.1 122.15,153.86 v1(120.47,153.86)
  Bottom w0.3: v1(71.84,167.68) 71.26,167.1 71.26,155.16 69.11,153.01 v1(69.11,152.58) ; v1(119.26,150.18) 119.26,152.65 v1(120.47,153.86)
BAT_RAW_L: length 73
  Top w0.3: UL4.2 96.63,32.68 UL3.4 103.07,36.41 UL3.1 106.97,36.41 111.37,32 RL1.1 ; JPL1.2 84.97,34.32 86.61,32.68 93.34,32.68
  Bottom w0.3: SW_BATL1.1 104.26,3.42 101.21,6.47 101.21,10.24 106.24,15.27 106.24,29.22 107.6,30.58 107.6,35.77 106.98,36.39 105.63,36.39 UL3.1
BAT_RAW_R: length 80.5
  Top w0.3: v1(119.63,156.38) 121.22,157.97 124.38,157.97 UR3.1 130.62,154.27 UR3.4 ; JPR1.2 116.12,153.42 116.97,152.57 v1(117.66,152.57) ; v1(141.01,171.45) 141.04,171.42 141.04,169.45 135.16,163.57 135.16,159.88 UR3.4 ; 147.18,160.56 146.02,160.56 144.46,159.01 144.46,158.02 143.87,157.44 UR4.2 138.81,157.44 138.28,157.97 137.08,157.97 UR3.4
  Bottom w0.3: v1(119.63,156.38) 119.63,155.27 117.66,153.3 v1(117.66,152.57) ; SW_BATR1.1 125.97,188.08 131.14,182.91 131.14,179.64 139.33,171.45 v1(141.01,171.45)
CL0: length 147.7
  Top w0.3: v1(6.11,64.71) 7.2,63.61 SWL21.1 ; UL1.8 49.82,21.9 49.81,21.91 48.67,21.91 47.12,20.36 v1(47.12,17.5) ; SWL15.1 6.92,42.4 v1(6.11,42.4) ; SWL27.1 4.32,78.35 v1(4.33,78.35) ; v1(10.54,14.51) 15.16,14.51 16.11,13.55 SWL1.1 21.09,6.56 34.29,6.56 UL2.11 39.06,11.33 39.06,12.06 42.59,15.59 v1(45.28,15.59) ; v1(6.11,22.54) 6.7,23.13 SWL8.1
  Bottom w0.3: v1(10.54,14.51) 6.11,18.94 v1(6.11,22.54) v1(6.11,42.4) v1(6.11,64.71) 6.11,76.57 v1(4.33,78.35) ; v1(47.12,17.5) 47.12,17.44 v1(45.28,15.59)
CL1: length 163
  Top w0.3: SWL16.1 31.37,44.56 v1(31.32,44.62) ; v1(31.72,16.78) 31.72,14.98 SWL2.1 35.31,11.39 v1(35.31,9.22) ; UL1.9 60.93,23 48.54,23 45.7,20.16 32.31,20.16 v1(29.54,22.93) 30.52,23.9 SWL9.1 ; v1(29.54,64.94) 29.61,65.01 43.41,65.01 SWL22.1 ; SWL28.1 28.06,82.66 v1(26.15,80.76)
  Bottom w0.3: v1(31.72,16.78) 31.65,16.78 29.54,18.89 v1(29.54,22.93) 29.54,42.84 v1(31.32,44.62) 31.32,56.48 30.26,57.54 30.26,64.22 v1(29.54,64.94) 29.54,74.28 26.15,77.67 v1(26.15,80.76) ; v1(35.31,9.22) 41.57,9.22 44.34,11.99 48.01,11.99 50.03,9.97 50.03,9.15 55.05,4.13 UL2.15
CL2: length 128.7
  Top w0.3: v1(51.92,80.4) 51.92,82.64 SWL29.1 ; SWL3.1 54.41,6.67 55.23,6.67 55.23,6.67 UL2.16 ; SWL23.1 59.99,63.61 v1(59.98,63.61) ; v1(50.26,29.86) 54.96,29.86 57.65,32.54 61.79,32.54 SWL10.1 64.36,29.97 64.36,27.92 v1(66.19,26.09) ; v1(50.26,44.7) 50.39,44.56 SWL17.1
  Bottom w0.3: UL1.10 64.36,24.26 v1(66.19,26.09) ; UL2.16 54.2,6.67 50.26,10.61 v1(50.26,29.86) v1(50.26,44.7) 50.26,49.66 59.98,59.39 v1(59.98,63.61) 59.98,70.47 51.92,78.54 v1(51.92,80.4)
CL3: length 123.9
  Top w0.3: v1(79.63,63.61) SWL24.1 ; UL2.17 56.54,9.21 57.88,7.87 57.88,5.93 58.35,5.46 62.28,5.46 62.54,5.72 ; 62.54,5.72 63.04,6.22 63.04,11.25 v1(63.04,11.26) ; 62.54,5.72 66.34,1.92 SWL4.1 ; v1(68.8,30.8) 73.58,30.8 75.33,32.54 80.84,32.54 SWL11.1 ; SWL18.1 73.38,46.86 v1(73.34,46.9) ; SWL30.1 75.76,81.09 v1(78.84,78)
  Bottom w0.3: v1(78.84,78) 79.6,77.25 79.6,63.64 v1(79.63,63.61) 79.57,63.55 79.57,53.13 v1(73.34,46.9) 73.34,41.11 68.78,36.56 68.78,30.82 v1(68.8,30.8) 67.7,29.7 67.7,22.91 UL1.11 66.9,18.42 64.4,15.92 64.4,12.61 v1(63.04,11.26)
CL4: length 153.3
  Top w0.3: v1(87.3,27.98) 87.67,27.61 SWL12.1 ; SWL5.1 88.85,15.01 v1(86,15.01) ; v1(86.99,21.03) 86.63,21.39 81.1,21.39 80.51,20.8 70.75,20.8 UL1.12 69.44,21.92 60.36,12.84 57.04,12.84 UL2.18 ; SWL31.1 101.95,80.16 102.04,80.08 ; 102.04,80.08 102.06,80.1 108.07,80.1 112.2,84.23 112.2,87.31 111.01,88.5 106.67,88.5 105.93,87.75 104.2,87.75 ; 102.04,80.08 102.41,80.08 102.77,79.72 102.77,77.57 v1(102.05,76.85) ; v1(100.29,66.08) 101.95,64.41 SWL25.1 ; v1(92.39,48.3) 92.43,48.26 SWL19.1
  Bottom w0.3: v1(86,15.01) 86.1,15.11 86.1,20.14 v1(86.99,21.03) 86.08,21.94 86.08,26.76 v1(87.3,27.98) 87.87,28.54 87.87,29.94 92.05,34.13 92.05,47.96 v1(92.39,48.3) 92.39,58.18 v1(100.29,66.08) 102.07,67.86 102.07,76.83 v1(102.05,76.85)
CL5: length 172.5
  Top w0.3: v1(107.41,23.18) 106.72,23.87 SWL13.1 106.24,25.51 104.76,27 102.24,27 101.15,25.91 97.27,25.91 94.36,23 76.8,23 v1(76.19,23.61) ; SWL26.1 115.99,63.61 v1(115.42,64.19) ; v1(113.18,13.58) 113.18,13.36 SWL6.1 ; SWL32.1 124.68,94.64 124.66,94.67 124.66,94.69 v1(123.2,96.15) SWL32.1 ; UL1.13 70.21,23.88 68.88,23.88 68.16,23.16 68.16,21.56 61.98,15.38 57.04,15.38 UL2.19 ; SWL20.1 108.75,44.56 v1(108.63,44.68)
  Bottom w0.3: v1(123.2,96.15) 123.2,96.03 116.9,89.73 116.9,75.53 115.42,74.04 v1(115.42,64.19) 115.42,60.27 108.63,53.49 v1(108.63,44.68) 108.63,44.68 108.63,30.35 107,28.72 107,23.59 v1(107.41,23.18) 107.41,19.35 v1(113.18,13.58) ; UL1.13 73.48,23.61 v1(76.19,23.61)
CL6: length 144.3
  Top w0.3: v1(124.83,28.74) 125.77,27.8 SWL14.1 125.77,21.23 125.94,21.06 125.94,20.69 ; DL33.2 110.62,48.6 v1(110.39,48.37) ; 125.94,20.69 125.52,20.27 115.78,20.27 114.37,21.68 103.01,21.68 101.53,20.2 95.64,20.2 93.94,21.9 UL1.14 71.07,25.35 52.56,25.35 52.06,24.85 49.54,24.85 v1(45.56,20.87) ; 125.94,20.69 130.41,16.21 SWL7.1
  Bottom w0.3: v1(45.56,20.87) 43,20.87 38.95,16.83 UL2.21 ; v1(124.83,28.74) 114.7,38.87 110.41,38.87 110.41,46.15 110.39,46.17 v1(110.39,48.37)
CR7: length 345.3
  Top w0.3: 159.1,178.49 SWR1.1 159.1,178.49 ; 159.1,178.49 159.1,174.67 158.06,173.64 153.23,173.64 SWR11.1 144.69,162.33 v1(144.72,162.31) ; v1(127.29,176.31) 123.76,176.31 SWR3.1 ; SWR35.1 161.33,94.15 v1(162.7,95.52) SWR35.1 ; SWR19.1 139.93,141.61 v1(139.86,141.54) ; v1(132.53,134.21) 132.13,134.61 54.22,134.61 v1(54.2,134.64) ; v1(132.82,124.16) 132.82,124.58 SWR28.1 130.41,123.73 v1(130.45,123.69) ; v1(125.54,169.65) 125.48,169.59 99.13,169.59 UR1.8
  Bottom w0.3: v1(132.82,124.16) 134.97,122.01 148.61,122.01 154.14,116.47 154.14,110.82 157.98,110.82 159.15,109.65 159.15,104.04 159.11,104 159.11,99.12 v1(162.7,95.52) ; v1(54.2,134.64) 54.2,138.59 54.2,138.59 54.2,145.76 57.63,149.18 57.63,162.94 60.93,166.24 60.93,185.65 UR2.15 ; v1(125.54,169.65) 125.54,173.08 127.29,174.83 v1(127.29,176.31) 127.29,172.22 129.92,169.59 142.62,169.59 144.72,167.49 v1(144.72,162.31) 144.72,146.4 v1(139.86,141.54) v1(132.53,134.21) 130.45,132.13 v1(130.45,123.69)
CR8: length 307.4
  Top w0.3: SWR4.1 107.01,174.01 v1(113.15,174.01) ; v1(65.82,178.12) 65.82,179.92 UR2.16 ; v1(119.47,139.66) 119.46,139.65 103.49,139.65 102.66,140.48 101.16,140.48 100.32,139.64 v1(87.6,139.64) 84.24,139.64 84.23,139.63 69.53,139.63 v1(68.12,141.04) ; SWR36.1 159.02,103.06 SWR36.1 159.02,109.63 157.87,110.78 154.12,110.78 144.37,120.53 137.86,120.53 133.57,124.82 133.57,126.74 128.65,131.67 111.48,131.67 v1(111.3,131.49) 111.3,131.16 111.36,131.1 SWR29.1 ; v1(125.69,162.48) 125.64,162.52 125.64,167.67 127.21,169.24 132,169.24 132.9,170.14 139.17,170.14 139.87,170.84 139.87,178.89 SWR2.1 ; v1(120.87,141.66) 120.88,141.67 SWR20.1
  Bottom w0.3: UR1.9 95.7,167.42 86.6,158.32 86.6,140.64 v1(87.6,139.64) ; v1(113.15,174.01) 117.17,174.01 125.69,165.49 v1(125.69,162.48) 125.69,146.48 v1(120.87,141.66) 120.87,141.06 v1(119.47,139.66) v1(111.3,131.49) ; v1(68.12,141.04) 67.03,142.13 67.03,151.63 69.6,154.2 69.6,168.59 65.82,172.37 v1(65.82,178.12)
CR9: length 234
  Top w0.3: 101.91,139.04 101.91,139.44 v1(101.86,139.49) ; 101.91,139.04 142.06,139.04 v1(142.19,139.17) ; 101.91,139.04 67.6,139.04 v1(66.46,140.18) ; 92.31,127 92.31,123.44 92.34,123.4 v1(92.34,123.35) ; v1(90.29,173.27) 91.55,174.52 SWR5.1 92.52,174.52 ; 163.74,163.91 SWR10.1 163.74,163.91 ; 163.74,163.91 163.74,162.72 156.65,155.63 156.14,155.63 v1(153.63,153.13) ; v1(101.86,141.66) 101.83,141.68 101.83,146.05 ; v1(98.68,157.39) 95.06,157.39 92.42,160.02 92.42,167.75 UR1.10
  Bottom w0.3: v1(66.46,140.18) 66.46,148.1 64.89,149.67 64.89,151.8 69.1,156.01 69.1,165.52 64.93,169.69 64.93,178.27 UR2.17 ; v1(142.19,139.17) 145.22,139.17 148.7,142.65 148.7,144.57 153.63,149.5 v1(153.63,153.13) ; UR1.10 93.16,170.86 90.75,173.27 v1(90.29,173.27) ; v1(98.68,157.39) 98.68,156.98 101.86,153.8 v1(101.86,141.66) v1(101.86,139.49) 101.86,132.87 v1(92.34,123.35)
CR10: length 246.3
  Top w0.3: SWR6.1 73.51,174.49 v1(73.51,172.65) ; SWR6.1 73.37,174.42 ; SWR6.1 72.58,173.63 67.03,173.63 UR2.18 ; v1(77.11,135.21) 77.18,135.15 v1(149.65,135.15) ; v1(82.82,141.94) 82.78,141.97 SWR22.1 ; v1(73.77,130.8) 73.26,130.28 SWR31.1 ; 158.98,144.66 SWR18.1 158.98,144.66 ; 158.98,144.66 158.98,141.32 v1(152.81,135.15) ; v1(57.8,107.66) 61.91,107.66 63.02,106.55 67.86,111.39 71.65,111.39 73.26,109.78 SWR38.1 ; UR1.11 90.62,164.71 85.34,159.43 82.05,159.43 v1(79.93,157.31) 76.09,157.31 SWR14.1 74.06,160.71 74.06,164.21 73.38,164.9 v1(72.64,164.9)
  Bottom w0.3: 73.77,131.87 73.77,121.64 71.94,119.81 59.26,119.81 57.47,118.02 57.47,107.99 v1(57.8,107.66) ; 73.77,131.87 v1(73.77,130.8) ; 73.77,131.87 v1(77.11,135.21) 82.82,140.92 v1(82.82,141.94) 82.82,154 79.93,156.89 v1(79.93,157.31) ; v1(152.81,135.15) 152.76,135.1 149.7,135.1 v1(149.65,135.15) ; v1(72.64,164.9) 75.16,167.41 75.16,171 v1(73.51,172.65)
CR11: length 265.6
  Top w0.3: v1(63.72,141.34) 63.73,141.35 SWR23.1 ; v1(55.84,133.46) 55.87,133.44 v1(149.63,133.44) ; SWR32.1 54.21,131.41 v1(54.22,131.43) ; SWR7.1 44.8,177.7 45.38,177.12 49.68,177.12 v1(51.03,178.47) ; SWR15.1 68.49,162.49 v1(68.5,162.49) ; 54.21,107.95 54.21,112.27 v1(54.21,112.28) ; UR1.12 84.24,164.64 84.24,162.81 79.7,158.28 v1(79.45,158.28) ; v1(152.77,132.74) 162.77,132.74 168.5,127 ; v1(63.81,150.05) 64.4,150.64 79.41,150.64 v1(79.48,150.57) ; v1(55.28,178.79) 59.34,178.79 UR2.19
  Bottom w0.3: v1(51.03,178.47) 51.35,178.79 v1(55.28,178.79) ; v1(79.45,158.28) 79.45,157.67 79.33,157.55 79.33,151.69 79.45,151.57 79.45,150.6 v1(79.48,150.57) ; UR2.19 61.78,175.92 62.13,175.92 63.13,174.92 63.13,167.1 65.98,167.1 68.5,164.57 v1(68.5,162.49) 68.5,156.19 63.81,151.5 v1(63.81,150.05) 65.64,148.22 65.64,143.26 v1(63.72,141.34) v1(55.84,133.46) 54.22,131.84 v1(54.22,131.43) 54.21,131.42 v1(54.21,112.28) ; v1(149.63,133.44) 152.07,133.44 v1(152.77,132.74)
CR12: length 274.8
  Top w0.3: v1(49.43,160.53) 49.44,160.54 SWR16.1 50.62,166.28 v1(51.94,166.28) 51.94,166.92 54.61,169.59 66.91,169.59 70.82,165.68 82.73,165.68 UR1.13 ; UR2.21 80.37,173.81 81.17,173.01 v1(81.17,172.32) ; v1(35.16,110.54) 35.16,107.95 ; SWR27.1 144.29,132.17 35.94,132.17 v1(35.21,131.44) 35.16,131.38 SWR33.1 ; SWR8.1 25.75,177.43 v1(27.09,176.09) ; 40.14,136.42 43.19,139.48 v1(43.19,142.32)
  Bottom w0.3: v1(49.43,160.53) 49.32,160.53 45.68,156.89 45.68,144.81 v1(43.19,142.32) 43.19,139.3 35.33,131.44 v1(35.21,131.44) 35.18,131.41 35.18,110.56 v1(35.16,110.54) ; UR1.13 85.54,170.25 83.46,172.34 81.19,172.34 v1(81.17,172.32) ; v1(27.09,176.09) 32.27,170.91 47.31,170.91 v1(51.94,166.28)
CR13: length 333
  Top w0.3: SWR17.1 17.62,169.97 v1(19.74,172.09) 17.59,174.24 15.86,174.24 12.97,177.12 8.65,177.12 SWR9.1 6.7,181.44 9.46,184.21 12.1,184.21 15.84,187.95 15.84,187.97 16.51,188.64 25.9,188.64 SWR9-2.1 ; v1(21.17,145.9) 21.11,145.95 SWR25-2.1 ; v1(16.09,110.76) 16.09,107.97 SWR41.1 ; SWR34.1 14.87,120.68 14.87,121.71 v1(14.88,121.72) ; v1(23.57,136.45) 23.59,136.42 SWR25.1 ; UR1.14 81.12,166.82 v1(76.91,166.82) 70.39,166.82 66.99,170.22 57.02,170.22 56.84,170.4 26.84,170.4 v1(26.49,170.05) ; v1(20.16,133.03) 43.08,133.03 45.7,135.66 61.8,135.66 62.49,136.35 136.55,136.35 DR42.2
  Bottom w0.3: v1(76.91,166.82) 76.91,177.55 UR2.11 ; v1(16.09,110.76) 16.09,120.51 v1(14.88,121.72) 17.16,124 17.16,130.06 19.29,132.19 19.31,132.19 v1(23.57,136.45) 21.17,138.85 v1(21.17,145.9) 21.17,150.31 26.37,155.52 26.37,166.75 26.49,166.87 v1(26.49,170.05) 21.78,170.05 v1(19.74,172.09)
INPUT_VOLTAGE_L: length 238.4
  Top w0.3: v1(42.43,7.56) 42.43,13.54 v1(42.42,13.55) ; v1(77.19,15.94) 79.76,15.94 82.35,18.53 88.74,18.53 97.88,9.39 97.88,8.48 100.59,5.77 110.95,5.77 114.58,9.39 114.58,13.39 112.56,15.41 v1(112.56,15.93) ; v1(48.74,55.06) 48.82,55.14 v1(105.49,55.14) ; v1(117.96,32.66) 116.79,33.83 112.23,33.83 RL1.2 RL2.1 112.14,35.94 109.43,35.94 v1(107.71,37.66)
  Bottom w0.3: v1(105.49,55.14) 106.57,54.06 106.57,38.8 v1(107.71,37.66) ; v1(77.19,15.94) 77.19,11.87 UL1.29 ; v1(42.42,13.55) 42.42,13.64 48.05,19.27 48.05,45.82 48.74,46.51 48.74,55.05 v1(48.74,55.06) ; UL2.1 55.71,2.62 46.59,2.62 42.43,6.78 v1(42.43,7.56) ; v1(117.96,32.66) 121.59,29.03 121.59,24.23 114.71,17.35 113.81,17.35 112.56,16.1 v1(112.56,15.93)
INPUT_VOLTAGE_R: length 112.8
  Top w0.3: 147.18,156.31 RR1.2 148.37,160.01 148.37,167.01 v1(148.35,167.03) ; v1(94.07,180.94) 92.42,182.59 v1(92.42,184) ; v1(141.11,172.73) 143.96,172.73 v1(147.15,169.54) ; v1(95.8,179.55) 95.8,177.18 97.76,175.22 98.52,175.22 101.41,172.33 115.22,172.33 115.84,172.95 133.41,172.95 134.05,173.59 v1(138.96,173.59)
  Bottom w0.3: v1(147.15,169.54) 148.35,168.34 v1(148.35,167.03) ; UR2.1 62.05,188.05 74.87,188.05 78.53,184.39 80.01,184.39 UR1.29 85.66,184.05 92.36,184.05 v1(92.42,184) ; v1(94.07,180.94) 95.46,179.55 v1(95.8,179.55) ; v1(138.96,173.59) 139.82,172.73 v1(141.11,172.73)
LED_EN_L: length 176.1
  Top w0.3: v1(44.11,73.96) 44.2,74.05 70.16,74.05 RL4.1 70.34,74.05 81.62,74.05 v1(81.7,73.98)
  Bottom w0.3: UL1.26 74.52,17.73 85.63,28.84 85.63,30.21 86.87,31.45 86.87,31.47 89.54,34.14 89.54,53.07 81.7,60.91 v1(81.7,73.98) ; UL2.23 42.54,11.75 49.66,18.86 49.66,55.82 44.11,61.37 v1(44.11,73.96)
LED_EN_R: length 106.2
  Top w0.3: RR4.1 16.22,143.6 20.49,143.6 23.69,146.8 23.69,150.45 27.45,154.21 58.56,154.21 64.7,148.07 v1(67.85,148.07)
  Bottom w0.3: UR1.26 82.25,173.78 80.87,175.15 80.87,177.53 UR2.23 78.08,177.45 78.08,166.92 76.1,164.95 75.22,164.95 73.03,162.76 72.97,162.76 72.36,162.15 72.36,154.68 67.85,150.17 v1(67.85,148.07)
LED_L: length 249.7
  Top w0.3: v1(28.85,17.23) 28.42,17.23 27.19,18.46 2.18,18.46 1.79,18.84 1.79,35.86 4.89,38.96 4.89,44.11 6.7,45.92 6.7,53.74 ; v1(85.11,56.08) 85.07,56.12 40.43,56.12 39.89,56.66 9.62,56.66 6.7,53.74 ; 6.7,53.74 2.7,57.74 2.7,87.06 6.33,90.7 LED_L1.3
  Bottom w0.3: UL2.22 37.8,14.7 32.1,14.7 29.57,17.23 v1(28.85,17.23) ; UL1.15 73.17,19.36 70.88,21.65 70.88,22.91 73.58,25.61 80.32,25.61 86.37,31.65 86.37,31.67 88.88,34.18 88.88,41.68 87.58,42.98 87.58,53.51 85.11,55.98 v1(85.11,56.08)
